# KiCad board Nodes.kicad_pcb (continued)
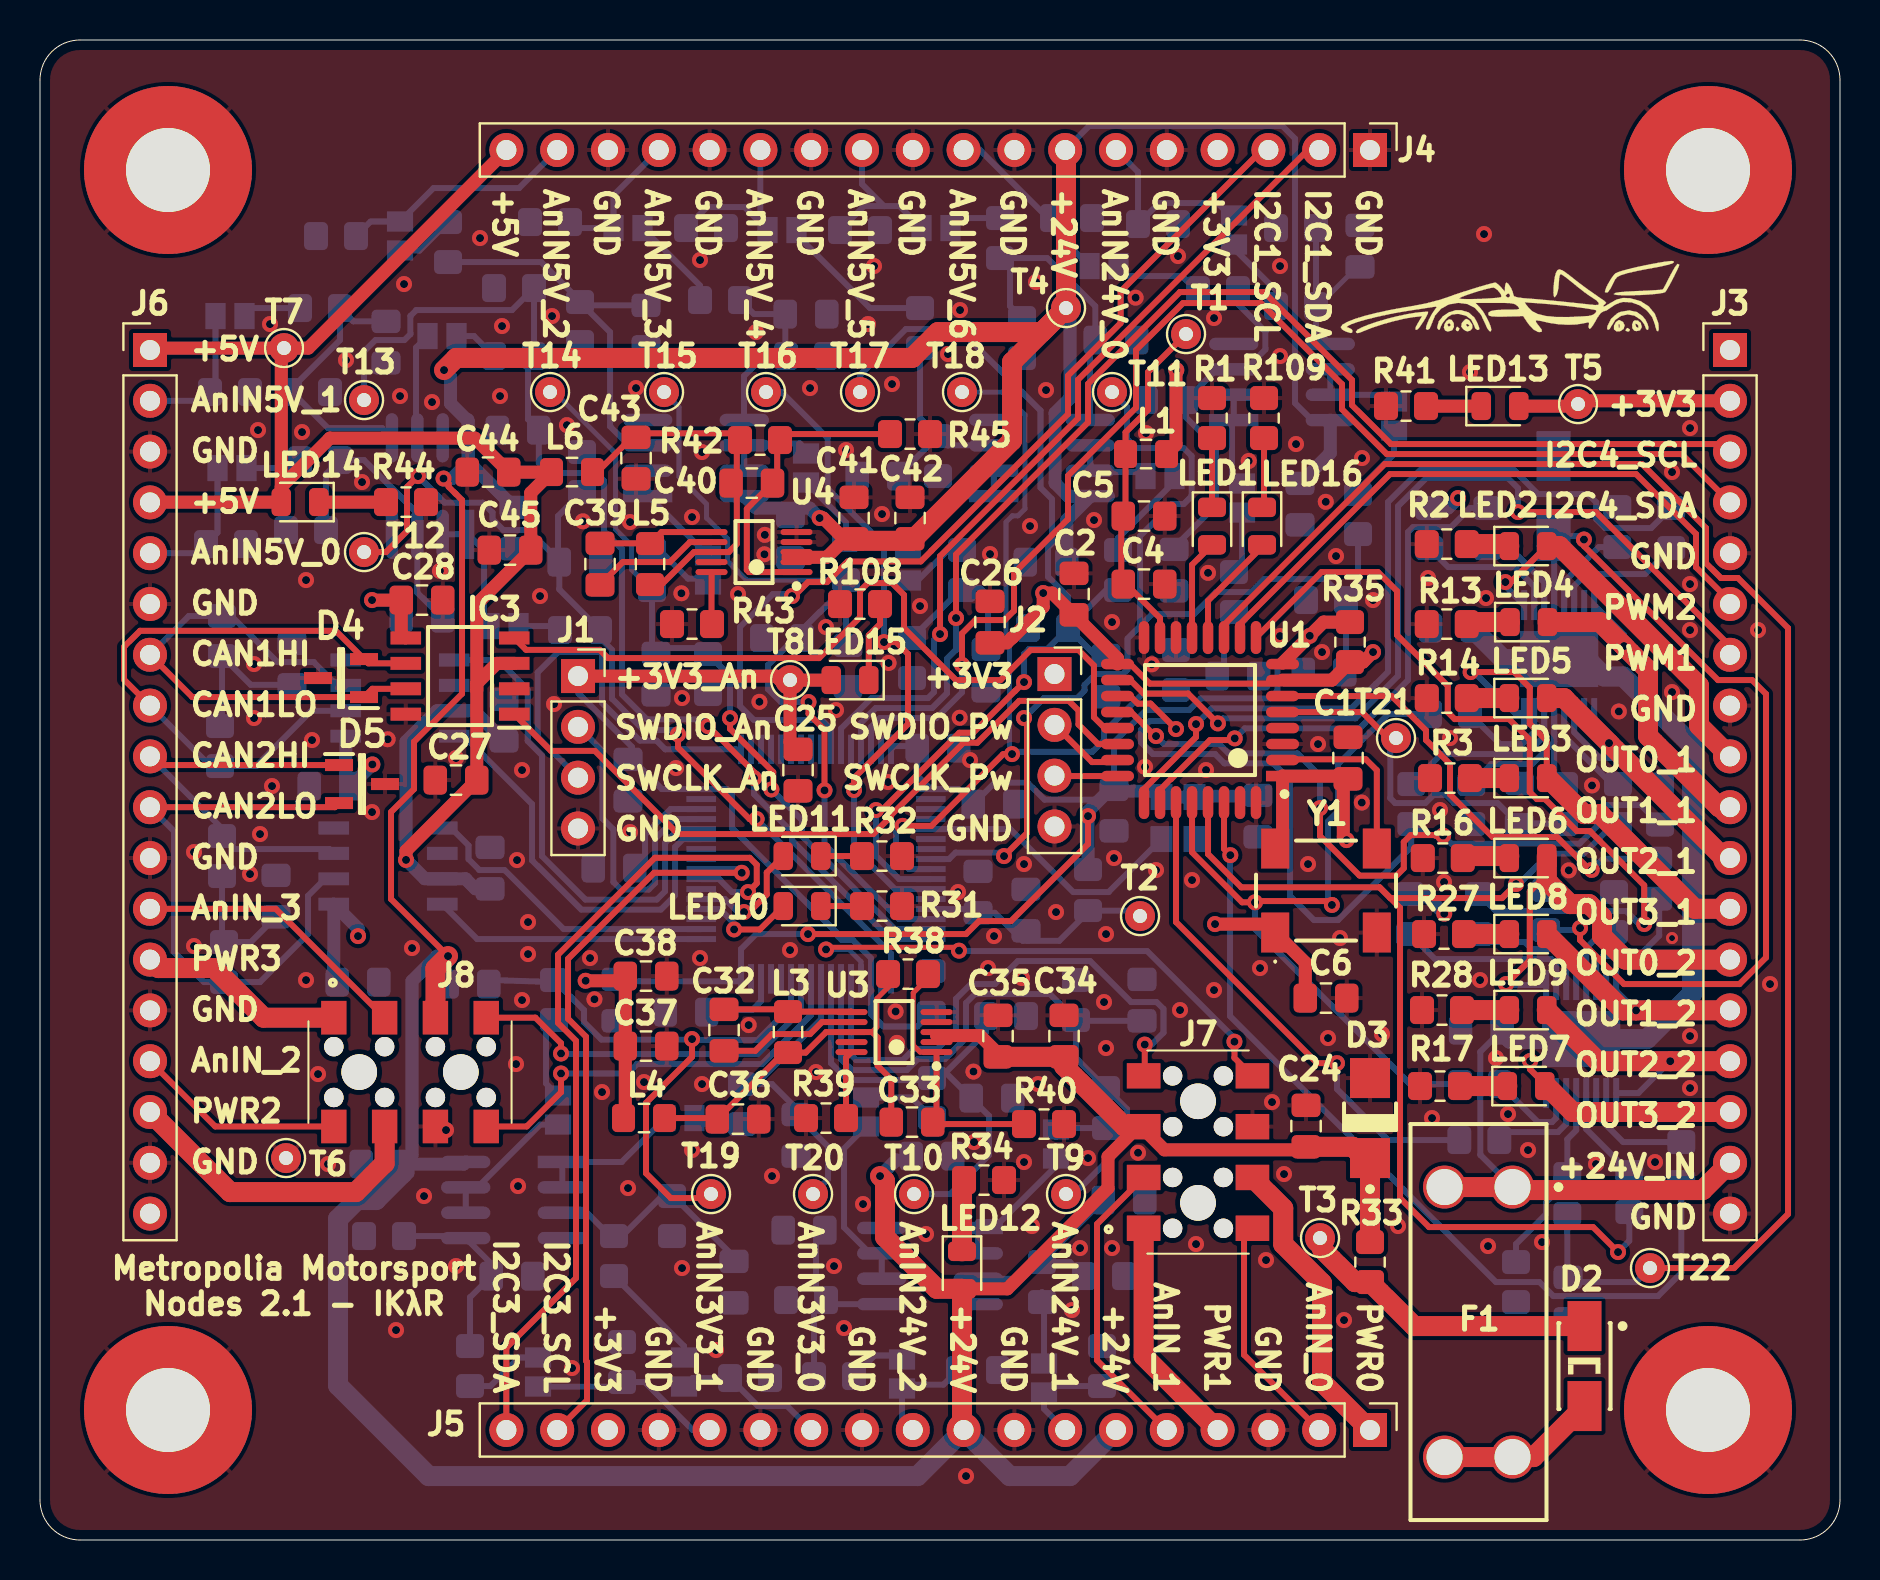
[diagram p0: board, top side]
## Footprints (pads in the part's own frame, mm; a bottom-side part is the same pattern mirrored in y, then rotated) (continued)
_ProgramData_Altium_Altium Designer {25494732-AE02-4610-B470-3264DC49668C}_VaultsFileCache_56708a516f1d4cf7aeaeed8617c40f77_Released_DIOD-S1M-13-F-SMA-2_V.PcbLib_DIOD-S1M-13-F-SMA-2_V
  rect 2.5x1.7 smd: 1(-2,0) 2(2,0)
C_0805_2012Metric_Pad1.18x1.45mm_HandSolder
  rrect 1.175x1.45 smd: 1(-1.038,0) 2(1.038,0)
ECS7050MV080BNTR
  rect 1.4x2 smd: 1(-2.54,-2.1) 2(2.54,-2.1) 3(2.54,2.1) 4(-2.54,2.1)
FP-ASE-MFG
  rect 1.3x1.1 smd: 1(-1.05,-0.825) 2(1.05,-0.825) 3(1.05,0.825) 4(-1.05,0.825)
FP-D0008A-IPC_A
  rect 2.469x0.622 smd: 1(-2.414,1.905)
  rrect 2.469x0.622 smd: 2(-2.414,0.635) 3(-2.414,-0.635) 4(-2.414,-1.905) 5(2.414,-1.905) 6(2.414,-0.635) 7(2.414,0.635) 8(2.414,1.905)
FP-LQFP32-5V-IPC_B
  rect 1.655x0.526 smd: 1(-4.125,2.8)
  rrect 1.655x0.526 smd: 2(-4.125,2) 3(-4.125,1.2) 4(-4.125,0.4) 5(-4.125,-0.4) 6(-4.125,-1.2) 7(-4.125,-2) 8(-4.125,-2.8) 17(4.125,-2.8) 18(4.125,-2) 19(4.125,-1.2) 20(4.125,-0.4) 21(4.125,0.4) 22(4.125,1.2) 23(4.125,2) 24(4.125,2.8)
  rrect 0.526x1.655 smd: 9(-2.8,-4.125) 10(-2,-4.125) 11(-1.2,-4.125) 12(-0.4,-4.125) 13(0.4,-4.125) 14(1.2,-4.125) 15(2,-4.125) 16(2.8,-4.125) 25(2.8,4.125) 26(2,4.125) 27(1.2,4.125) 28(0.4,4.125) 29(-0.4,4.125) 30(-1.2,4.125) 31(-2,4.125) 32(-2.8,4.125)
FP-LQM21PH_G0-IPC_C
  rect 1.006x1.308 smd: 1(-0.726,0) 2(0.726,0)
HLE-104-02-XXX-DV-BE-A-P-TR
  round 0.97 hole 0.97 unplated: (-3.81,1.27) (-3.81,-1.27) (-1.27,1.27) (-1.27,-1.27) (1.27,1.27) (1.27,-1.27) (3.81,1.27) (3.81,-1.27)
  round 1.78 hole 1.78 unplated: (-2.54,0) (2.54,0)
  rect 1.27x1.68 smd: 1(3.81,-2.72) 2(3.81,2.72) 3(1.27,-2.72) 4(1.27,2.72) 5(-1.27,-2.72) 6(-1.27,2.72) 7(-3.81,-2.72) 8(-3.81,2.72)
KSTN-3557-2
  round 2.15 hole 1.8: 1(-6.75,1.7) 2(-6.75,-1.7) 3(6.75,1.7) 4(6.75,-1.7)
L_0805_2012Metric_Pad1.15x1.40mm_HandSolder
  rrect 1.15x1.4 smd: 1(-1.025,0) 2(1.025,0)
LED_0805_2012Metric
  rrect 0.975x1.4 smd: 1(-0.938,0) 2(0.938,0)
LT-MS-10_N
  oval 1.6x0.3 smd: 1(-2.125,1) 2(-2.125,0.5) 3(-2.125,0) 4(-2.125,-0.5) 5(-2.125,-1) 6(2.125,-1) 7(2.125,-0.5) 8(2.125,0) 9(2.125,0.5) 10(2.125,1)
ONSC-SMA-2-403D-02_F_V
  rect 2x2 smd: 1(-2,0) 2(2,0)
PinHeader_1x18_P2.54mm_Vertical
  rect 1.7x1.7 hole 1: 1(0,0)
  oval 1.7x1.7 hole 1: 2(0,-2.54) 3(0,-5.08) 4(0,-7.62) 5(0,-10.16) 6(0,-12.7) 7(0,-15.24) 8(0,-17.78) 9(0,-20.32) 10(0,-22.86) 11(0,-25.4) 12(0,-27.94) 13(0,-30.48) 14(0,-33.02) 15(0,-35.56) 16(0,-38.1) 17(0,-40.64) 18(0,-43.18)
PinSocket_1x04_P2.54mm_Vertical
  rect 1.7x1.7 hole 1: 1(0,0)
  oval 1.7x1.7 hole 1: 2(0,-2.54) 3(0,-5.08) 4(0,-7.62)
QFP50P1200X1200X160-64N
  rect 1.475x0.3 smd: 1(-5.738,3.75) 2(-5.738,3.25) 3(-5.738,2.75) 4(-5.738,2.25) 5(-5.738,1.75) 6(-5.738,1.25) 7(-5.738,0.75) 8(-5.738,0.25) 9(-5.738,-0.25) 10(-5.738,-0.75) 11(-5.738,-1.25) 12(-5.738,-1.75) 13(-5.738,-2.25) 14(-5.738,-2.75) 15(-5.738,-3.25) 16(-5.738,-3.75) 33(5.738,-3.75) 34(5.738,-3.25) 35(5.738,-2.75) 36(5.738,-2.25) 37(5.738,-1.75) 38(5.738,-1.25) 39(5.738,-0.75) 40(5.738,-0.25) 41(5.738,0.25) 42(5.738,0.75) 43(5.738,1.25) 44(5.738,1.75) 45(5.738,2.25) 46(5.738,2.75) 47(5.738,3.25) 48(5.738,3.75)
  rect 0.3x1.475 smd: 17(-3.75,-5.738) 18(-3.25,-5.738) 19(-2.75,-5.738) 20(-2.25,-5.738) 21(-1.75,-5.738) 22(-1.25,-5.738) 23(-0.75,-5.738) 24(-0.25,-5.738) 25(0.25,-5.738) 26(0.75,-5.738) 27(1.25,-5.738) 28(1.75,-5.738) 29(2.25,-5.738) 30(2.75,-5.738) 31(3.25,-5.738) 32(3.75,-5.738) 49(3.75,5.738) 50(3.25,5.738) 51(2.75,5.738) 52(2.25,5.738) 53(1.75,5.738) 54(1.25,5.738) 55(0.75,5.738) 56(0.25,5.738) 57(-0.25,5.738) 58(-0.75,5.738) 59(-1.25,5.738) 60(-1.75,5.738) 61(-2.25,5.738) 62(-2.75,5.738) 63(-3.25,5.738) 64(-3.75,5.738)
R_0805_2012Metric_Pad1.20x1.40mm_HandSolder
  rrect 1.2x1.4 smd: 1(-1,0) 2(1,0)
SOIC127P600X175-8N
  rect 1.528x0.65 smd: 1(-2.711,1.905) 2(-2.711,0.635) 3(-2.711,-0.635) 4(-2.711,-1.905) 5(2.711,-1.905) 6(2.711,-0.635) 7(2.711,0.635) 8(2.711,1.905)
SOP50P600X170-17N
  rect 1.5x0.3 smd: 1(-2.7,1.75) 2(-2.7,1.25) 3(-2.7,0.75) 4(-2.7,0.25) 5(-2.7,-0.25) 6(-2.7,-0.75) 7(-2.7,-1.25) 8(-2.7,-1.75) 9(2.7,-1.75) 10(2.7,-1.25) 11(2.7,-0.75) 12(2.7,-0.25) 13(2.7,0.25) 14(2.7,0.75) 15(2.7,1.25) 16(2.7,1.75)
  rect 2.8x3.91 smd: 17(0,0)
SOP50P600X170-17N#2
  rect 1.5x0.3 smd: 1(-2.7,1.75) 2(-2.7,1.25) 3(-2.7,0.75) 4(-2.7,0.25) 5(-2.7,-0.25) 6(-2.7,-0.75) 7(-2.7,-1.25) 8(-2.7,-1.75) 9(2.7,-1.75) 10(2.7,-1.25) 11(2.7,-0.75) 12(2.7,-0.25) 13(2.7,0.25) 14(2.7,0.75) 15(2.7,1.25) 16(2.7,1.75)
  rect 2.8x3.91 smd: 17(0,0)
SOT95P255X125-3N
  rect 1.4x0.6 smd: 1(-1.15,0.95) 2(-1.15,-0.95) 3(1.15,0)
TestPoint_THTPad_D1.5mm_Drill0.7mm
  round 1.5 hole 0.7: 1(0,0)
unnamed
  round 8.4 hole 4.2: M4(0,0)

## Nets
+5V: C27.1 C44.1 C45.1 C47.1 C52.1 IC3.3 IC4.3 IC5.3 J4.18 J6.1 J6.4 L6.2 LED14.2 T7.1
+24V: C24.1 C34.1 C35.1 C41.1 C42.1 C56.1 C63.1 C68.1 C73.1 C78.1 C81.1 D3.1 J4.7 J5.6 J5.9 J7.5 J8.5 LED12.2 R33.2 T4.1 U3.2 U3.3 U4.2 U4.3 U5.8 U6.8 U7.8 U8.8 U9.8 U10.8
/24V_unfused: C8.1 C10.1 F1.1 F1.2 IC1.17 IC2.17 J3.17
GND: C1.2 C2.2 C4.2 C5.2 C6.2 C7.2 C8.2 C9.2 C10.2 C12.2 C13.2 C14.2 C15.2 C16.2 C17.2 C18.2 C20.2 C21.2 C22.2 C23.2 C24.2 C25.2 C26.2 C27.2 C28.2 C34.2 C35.2 C36.2 C37.2 C38.2 C41.2 C42.2 C43.2 C44.2 C45.2 C47.2 C48.2 C49.2 C52.2 C53.2 C54.2 C56.2 C57.2 C58.2 C59.2 C60.2 C61.2 C62.2 C63.2 C64.2 C65.2 C66.2 C67.2 C68.2 C69.2 C70.2 C71.2 C72.2 C73.2 C74.2 C75.2 C76.2 C77.2 C78.2 C79.2 C80.2 C81.2 C82.2 C83.2 C84.2 C85.2 D1.2 D3.2 D4.3 D5.3 IC3.2 IC3.8 IC4.2 IC4.8 IC5.2 IC5.8 J1.4 J2.4 J3.5 J3.8 J3.18 J4.1 J4.5 J4.8 J4.10 J4.12 J4.14 J4.16 J5.3 J5.8 J5.11 J5.13 J5.15 J6.3 J6.6 J6.11 J6.14 J6.17 J7.6 J8.6 NOREF.M4 NOREF#2.M4 NOREF#3.M4 NOREF#4.M4 R1.2 R2.1 R3.2 R8.1 R13.1 R14.2 R15.2 R16.2 R17.2 R22.1 R27.1 R28.2 R29.2 R30.2 R31.2 R32.2 R34.2 R39.2 R40.2 R41.2 R43.2 R44.2 R45.2 R52.2 R54.2 R56.2 R57.2 R58.2 R59.2 R61.2 R63.2 R64.2 R67.2 R69.2 R71.2 R72.2 R73.2 R74.2 R77.2 R79.2 R81.2 R82.2 R83.2 R84.2 R87.2 R89.2 R91.2 R92.2 R93.2 R94.2 R97.2 R98.2 R99.2 R103.2 R104.2 R106.2 R107.2 R108.2 R109.2 T6.1 U1.3 U1.14 U1.16 U1.32 U2.6 U2.12 U2.18 U2.31 U2.47 U2.63 U3.4 U3.5 U4.4 U4.5 U5.4 U6.4 U7.4 U8.4 U9.4 U10.4 Y1.2 Y2.2
GNDREF: D1.1 IC1.4 IC2.4 R30.1
VCC: C1.1 C2.1 C6.1 C26.1 C28.1 C37.1 C38.1 C48.1 C53.1 IC3.5 IC4.5 IC5.5 J2.1 J3.2 J4.4 J5.16 L1.1 L4.2 LED13.2 R6.1 R20.1 R35.1 T5.1 U1.1 U1.7 U1.17 Y1.1 Y1.4
VCCA: C12.1 C13.1 C14.1 C15.1 C16.1 C17.1 C22.1 C25.1 J1.1 L2.1 LED15.2 R35.2 T8.1 U1.8 U2.1 U2.19 U2.32 U2.48 U2.64 Y2.1 Y2.4
/AnalogNode/ADC0: C85.1 R105.2 T20.1 U2.24
/AnalogNode/ADC1: C82.1 R102.2 T19.1 U2.27
/AnalogNode/ADC2: C66.1 R68.2 R73.1 T12.1 U2.17
/AnalogNode/ADC3: C67.1 R70.2 R74.1 T13.1 U2.16
/AnalogNode/ADC4: C71.1 R78.2 R83.1 T14.1 U2.15
/AnalogNode/ADC5: C72.1 R80.2 R84.1 T15.1 U2.14
/AnalogNode/ADC6: C76.1 R88.2 R93.1 T16.1 U2.11
/AnalogNode/ADC7: C77.1 R90.2 R94.1 T17.1 U2.10
/AnalogNode/ADC8: C80.1 R96.2 R99.1 T18.1 U2.9
/AnalogNode/ADC9: J8.7 U2.26
/AnalogNode/ADC10: J8.8 U2.25
/AnalogNode/ADC11: J7.7 U2.21
/AnalogNode/ADC12: J7.8 U2.20
/AnalogNode/ADC13: C60.1 R55.2 R59.1 T10.1 U2.23
/AnalogNode/ADC14: C59.1 R53.2 R58.1 T9.1 U2.22
/AnalogNode/ADC15: C62.1 R62.2 R64.1 T11.1 U2.8
/AnalogNode/CAN1Rx: IC4.4 U2.43
/AnalogNode/CAN1Tx: IC4.1 U2.44
/AnalogNode/CAN2Rx: IC5.4 U2.33
/AnalogNode/CAN2Tx: IC5.1 U2.34
/AnalogNode/LED1: LED10.2 U2.36
/AnalogNode/LED2: LED11.2 U2.37
/AnalogNode/OSC_IN: U2.5 Y2.3
/AnIN3V3_0: J5.12 L27.1 R106.1
/AnIN3V3_1: J5.14 L28.1 R107.1
/AnIN5V_0: J6.5 L13.1 R71.1
/AnIN5V_1: J6.2 L14.1 R72.1
/AnIN5V_2: J4.17 L17.1 R81.1
/AnIN5V_3: J4.15 L18.1 R82.1
/AnIN5V_4: J4.13 L21.1 R91.1
/AnIN5V_5: J4.11 L22.1 R92.1
/AnIN5V_6: J4.9 L25.1 R97.1
/AnIN24V_0: J4.6 L11.1 R63.1
/AnIN24V_1: J5.7 L7.1 R56.1
/AnIN24V_2: J5.10 L8.1 R57.1
/AnIN_0: J5.2 J7.2
/AnIN_1: J5.5 J7.3
/AnIN_2: J6.15 J8.2
/AnIN_3: J6.12 J8.3
/CAN1HI: D4.1 IC3.7 IC4.7 J6.7 R46.1
/CAN1LO: D4.2 IC3.6 IC4.6 J6.8 R47.2
/CAN2HI: D5.1 IC5.7 J6.9 R48.1
/CAN2LO: D5.2 IC5.6 J6.10 R49.2
/I2C1_SCL: J4.3 U2.58
/I2C1_SDA: J4.2 U2.59
/I2C3_SCL: J5.17 U2.40
/I2C3_SDA: J5.18 U2.39
/I2C4_SCL: J3.3 U2.61
/I2C4_SDA: J3.4 U2.62
/OUT0_1: IC1.1 J3.9 LED2.2
/OUT0_2: IC2.1 J3.13 LED6.2
/OUT1_1: IC1.8 J3.10 LED4.2
/OUT1_2: IC2.8 J3.14 LED8.2
/OUT2_1: IC1.9 J3.11 LED5.2
/OUT2_2: IC2.9 J3.15 LED9.2
/OUT3_1: IC1.16 J3.12 LED3.2
/OUT3_2: IC2.16 J3.16 LED7.2
/PowerNode/ADCS1: C7.1 R12.2 T21.1 U1.5
/PowerNode/ADCS2: C9.1 R26.2 T22.1 U1.11
/PowerNode/CANRx: IC3.4 U1.21
/PowerNode/CANTx: IC3.1 U1.22
/PowerNode/IN0_1: R5.1 U1.26
/PowerNode/IN0_2: R19.1 U1.9
/PowerNode/IN1_1: R10.1 U1.25
/PowerNode/IN1_2: R24.1 U1.6
/PowerNode/IN2_1: R11.2 U1.20
/PowerNode/IN2_2: R25.2 U1.30
/PowerNode/IN3_1: R7.2 U1.19
/PowerNode/IN3_2: R21.2 U1.27
/PowerNode/LED: LED16.2 U1.12
/PowerNode/SEL0: R9.2 R23.2 U1.29
/PowerNode/SEL1: R4.2 R18.2 U1.28
/PWM1: J3.7 U1.18
/PWM2: J3.6 U1.10
/PWR0: J5.1 J7.4
/PWR1: J5.4 J7.1
/PWR2: J6.16 J8.4
/PWR3: J6.13 J8.1
/SWCLK_An: J1.3 U2.49
/SWCLK_Pw: J2.3 U1.24
/SWDIO_An: J1.2 U2.45
/SWDIO_Pw: J2.2 U1.23
Net-(C49-Pad1): C49.1 R46.2 R47.1
Net-(C54-Pad1): C54.1 R48.2 R49.1
Net-(D2-A): D2.1 F1.3 F1.4
Net-(D2-K): D2.2 R33.1 T3.1
Net-(IC1-CS): IC1.13 R12.1 R15.1
Net-(IC1-INPUT0): IC1.3 R5.2
Net-(IC1-INPUT1): IC1.6 R10.2
Net-(IC1-INPUT2): IC1.11 R11.1
Net-(IC1-INPUT3): IC1.14 R7.1
Net-(IC1-SEL0): IC1.12 R9.1
Net-(IC1-SEL1): IC1.15 R4.1
Net-(IC1-SEN): IC1.2 R6.2
Net-(IC1-~{FAULTRST}): IC1.5 R8.2
Net-(IC2-CS): IC2.13 R26.1 R29.1
Net-(IC2-INPUT0): IC2.3 R19.2
Net-(IC2-INPUT1): IC2.6 R24.2
Net-(IC2-INPUT2): IC2.11 R25.1
Net-(IC2-INPUT3): IC2.14 R21.1
Net-(IC2-SEL0): IC2.12 R23.1
Net-(IC2-SEL1): IC2.15 R18.1
Net-(IC2-SEN): IC2.2 R20.2
Net-(IC2-~{FAULTRST}): IC2.5 R22.2
Net-(L7-Pad2): L7.2 R50.1
Net-(L8-Pad2): L8.2 R51.1
Net-(L9-Pad2): L9.2 R53.1
Net-(L10-Pad2): L10.2 R55.1
Net-(L11-Pad2): L11.2 R60.1
Net-(L12-Pad2): L12.2 R62.1
Net-(L13-Pad2): L13.2 R65.1
Net-(L14-Pad2): L14.2 R66.1
Net-(L15-Pad2): L15.2 R68.1
Net-(L16-Pad2): L16.2 R70.1
Net-(L17-Pad2): L17.2 R75.1
Net-(L18-Pad2): L18.2 R76.1
Net-(L19-Pad2): L19.2 R78.1
Net-(L20-Pad2): L20.2 R80.1
Net-(L21-Pad2): L21.2 R85.1
Net-(L22-Pad2): L22.2 R86.1
Net-(L23-Pad2): L23.2 R88.1
Net-(L24-Pad2): L24.2 R90.1
Net-(L25-Pad2): L25.2 R95.1
Net-(L26-Pad2): L26.2 R96.1
Net-(L27-Pad2): L27.2 R100.1
Net-(L28-Pad2): L28.2 R101.1
Net-(L29-Pad2): L29.2 R105.1
Net-(L30-Pad2): L30.2 R102.1
Net-(LED1-A): LED1.2 U1.13
Net-(LED1-K): LED1.1 R1.1
Net-(LED2-K): LED2.1 R2.2
Net-(LED3-K): LED3.1 R3.1
Net-(LED4-K): LED4.1 R13.2
Net-(LED5-K): LED5.1 R14.1
Net-(LED6-K): LED6.1 R16.1
Net-(LED7-K): LED7.1 R17.1
Net-(LED8-K): LED8.1 R27.2
Net-(LED9-K): LED9.1 R28.1
Net-(LED10-K): LED10.1 R31.1
Net-(LED11-K): LED11.1 R32.1
Net-(LED12-K): LED12.1 R34.1
Net-(LED13-K): LED13.1 R41.1
Net-(LED14-K): LED14.1 R44.1
Net-(LED15-K): LED15.1 R108.1
Net-(LED16-K): LED16.1 R109.1
Net-(T1-Pin_1): C4.1 C5.1 L1.2 T1.1 U1.15
Net-(T2-Pin_1): C20.1 C21.1 L2.2 T2.1 U2.13
Net-(U1-PF0-OSC_IN): U1.2 Y1.3
Net-(U2-VCAP_1): C23.1 U2.30
Net-(U2-VCAP_2): C18.1 U2.46
Net-(U3-BD): C33.1 C36.1 L3.2 L4.1 R38.1 U3.8
Net-(U3-BOOST): C32.1 U3.7
Net-(U3-FB): C33.2 R38.2 R40.1 U3.1
Net-(U3-RT): R39.1 U3.10
Net-(U3-SW): C32.2 L3.1 U3.6
Net-(U4-BD): C40.1 C43.1 L5.2 L6.1 R42.1 U4.8
Net-(U4-BOOST): C39.1 U4.7
Net-(U4-FB): C40.2 R42.2 R45.1 U4.1
Net-(U4-RT): R43.1 U4.10
Net-(U4-SW): C39.2 L5.1 U4.6
Net-(U5A-IN1+): C58.1 R50.2 R52.1 U5.3
Net-(U5A-IN1-): L9.1 U5.1 U5.2
Net-(U5B-IN2+): C57.1 R51.2 R54.1 U5.5
Net-(U5B-IN2-): L10.1 U5.6 U5.7
Net-(U6A-IN1+): C79.1 R95.2 R98.1 U6.3
Net-(U6A-IN1-): L26.1 U6.1 U6.2
Net-(U6B-IN2+): C61.1 R60.2 R61.1 U6.5
Net-(U6B-IN2-): L12.1 U6.6 U6.7
Net-(U7A-IN1+): C65.1 R65.2 R67.1 U7.3
Net-(U7A-IN1-): L15.1 U7.1 U7.2
Net-(U7B-IN2+): C64.1 R66.2 R69.1 U7.5
Net-(U7B-IN2-): L16.1 U7.6 U7.7
Net-(U8A-IN1+): C70.1 R75.2 R77.1 U8.3
Net-(U8A-IN1-): L19.1 U8.1 U8.2
Net-(U8B-IN2+): C69.1 R76.2 R79.1 U8.5
Net-(U8B-IN2-): L20.1 U8.6 U8.7
Net-(U9A-IN1+): C75.1 R85.2 R87.1 U9.3
Net-(U9A-IN1-): L23.1 U9.1 U9.2
Net-(U9B-IN2+): C74.1 R86.2 R89.1 U9.5
Net-(U9B-IN2-): L24.1 U9.6 U9.7
Net-(U10A-IN1+): C84.1 R100.2 R103.1 U10.3
Net-(U10A-IN1-): L29.1 U10.1 U10.2
Net-(U10B-IN2+): C83.1 R101.2 R104.1 U10.5
Net-(U10B-IN2-): L30.1 U10.6 U10.7

Pads without a net: IC1 7 10; IC2 7 10; J3 1; J6 18; U1 4 31; U2 2 3 4 7 28 29 35 38 41 42 50 51 52 53 54 55 56 57 60; U3 9; U4 9

## Via types
v1: diameter 0.8, hole 0.4, Top to Bottom, 262 vias
v2: diameter 0.6, hole 0.3, Top to Bottom, 1 via

## Routing (per net, layer and track width the routed paths; a pad name or vN(x,y) marks a point on that pad's centre or on a via; arc(x,y) is an arc through that point)
+5V: length 94.2
  Top w0.65: v1(18.3,34) 18.3,34.46 C27.1 21.84,42.5 ; LED14.2 5.52,51.9 J6.4 ; LED14.2 12.06,52.66 14.5,55.1 21.74,55.1 C44.1 L6.2 24.54,52.36 C45.1 21.84,46.8 21.84,42.5 ; LED14.2 12.06,59.26 12.2,59.4 T7.1 ; J6.1 5.6,59.6 T7.1 ; J4.18 13.42,59.6 T7.1 ; 21.84,42.5 21.84,42.83 22.84,43.83 IC3.3
  Bottom w0.65: C52.1 21.78,32.56 21.27,33.06 IC5.3 19.24,33.06 v1(18.3,34) 18.3,39.92 19.84,41.46 IC4.3 21.7,41.46 C47.1
+24V: length 289.8
  Top w0.3: v1(20.4,29.2) 17.55,32.05 17.55,36.4 18.7,37.55 18.7,39.91 21.1,42.31 21.1,52 20.78,52.32 20.77,52.32 20.43,52.67 20.43,52.82 v1(20.18,53.07)
  Top w0.65: C35.1 47.9,24.32 47,25.22 44.83,25.22 ; 37.4,49.14 39.34,49.14 40.16,49.96 40.7,49.96 40.3,49.96 39.16,51.1 v1(38.98,51.1) ; LED12.2 48.37,12.56 53.4,17.59 53.4,19.17 54.9,20.67 J7.5 55.18,20.55 56.22,19.51 63.15,19.51 C24.1
  Top w1: C35.1 C34.1 51.2,23.7 54.23,20.67 J7.5 ; T4.1 51.3,69.46 J4.7 ; T4.1 50.1,60.4 44.9,60.4 43.61,59.1 20.81,59.1 v1(20.2,58.5) ; T4.1 48.6,58.9 48.6,54.97 43.59,49.96 40.7,49.96 ; v1(42,18.2) 42.25,17.95 42.25,15.15 44.84,12.56 LED12.2 46.1,5.58 J5.9 ; J8.5 19.77,28.57 v1(20.4,29.2) ; C24.1 65.64,19.66 66.5,18.8 R33.2
  Bottom w0.3: U6.8 63.61,55.99 62.75,56.85 62.75,70.07 62.12,70.7 52.46,70.7 J4.7 ; 21.41,54.3 U7.8
  Bottom w0.65: U7.8 21.41,53.93 C63.1 ; U7.8 21.41,55.95 20.53,56.83 20.53,58.17 v1(20.2,58.5) ; U7.8 21.41,53.88 20.6,53.07 v1(20.18,53.07) ; U8.8 35.81,51.6 38.48,51.6 v1(38.98,51.1) ; U5.8 42.3,15.81 42.3,17.9 v1(42,18.2) 42.8,19 43.43,19 ; 51.3,61.7 51.5,61.5 51.5,57.09 50.76,56.35 50.76,52.84 51.41,52.19 U9.8 51.34,51.02 51.34,49.1 ; C78.1 64.51,54.35 U6.8 ; v1(20.4,29.2) 19.85,29.2 18.6,27.95 18.6,19.26 C81.1 21.18,18.8 U10.8
  Bottom w1: C81.1 18.14,18.33 16.8,17 15.85,17 14.9,16.05 14.9,7.73 19.43,3.2 43.88,3.2 J5.9 48.48,3.2 51.5,3.2 J5.6
/24V_unfused: length 60.3
  Top w1: F1.2 F1.1 73.78,17.5 83.14,17.5 J3.17
  Bottom w0.3: F1.1 72.01,19.26 72.01,24.41 C10.1
  Bottom w1: C8.1 73.15,44.05 IC1.17 77.33,44.05 78.2,43.18 79.16,43.18 82.6,39.74 82.6,27.31 80.34,25.05 IC2.17 73.55,25.05 C10.1
GND:
  vias: v1(7.7,34.4) v1(7.7,29.7) v1(10.5,33.3) v1(10.7,43.8) v1(10.7,41.1) v1(10.9,55.5) v1(11,35.3) v1(11.5,60.8) v1(11.6,37.7) v1(13.1,55.4) v1(13.3,48) v1(13.3,28) v1(13.6,40) v1(13.9,23.3) v1(14.4,18.8) v1(15.3,59) v1(16.1,52.9) v1(16.6,36.4) v1(17.38,40.04) v1(17.8,10.5) v1(18,57.2) v1(18.2,62.8) v1(18.6,29.6) v1(19.2,17.2) v1(19.6,56.9) v1(20,48.46) v1(20.3,20.5) v1(20.8,39.1) v1(20.8,13.7) v1(22,65.1) v1(23,57.2) v1(23.1,60.7) v1(23.8,23.8) v1(23.85,34) v1(23.9,17.7) v1(24.1,38.5) v1(24.1,27) v1(24.4,30.9) v1(24.4,29.3) v1(25,47.2) v1(25.6,61.2) v1(25.7,41.8) v1(26.35,55.74) v1(26.6,8.6) v1(27.14,50.94) v1(27.5,29.1) v1(27.72,27.04) v1(28.1,22.4) v1(29.4,17.6) v1(29.5,50.9) v1(29.5,35.4) v1(29.8,57.6) v1(30.2,22.9) v1(31.8,38.6) v1(32.07,47.34) v1(32.1,42.1) v1(32.1,13.6) v1(32.6,51.15) v1(32.6,19.5) v1(33,64) v1(33,29.1) v1(33.1,54.4) v1(33.1,22.8) v1(33.8,9.5) v1(34.9,47.3) v1(35.43,25.75) v1(35.8,60.4) v1(35.97,41.91) v1(36.24,50.26) v1(36.22,49.29) v1(36.6,18.2) v1(37.5,29.5) v1(38.5,57.6) v1(38.8,23.4) v1(39.3,45.65) v1(39.7,13.7) v1(39.8,41.5) v1(40.2,10.6) v1(40.3,54.5) v1(41.15,16.8) v1(41.4,60.8) v1(41.7,63.7) v1(42.1,51.3) v1(42.43,43.85) v1(42.4,37.9) v1(42.6,57.8) v1(42.78,26.43) v1(42.85,24.86) v1(44,46.7) v1(44.3,15.3) v1(45.4,59.3) v1(45.9,32.4) v1(46,61.5) v1(45.98,41.11) v1(46.3,3.2) v1(46.5,39) v1(46.67,23.42) v1(46.7,19.9) v1(47.4,28.6) v1(47.5,49.3) v1(47.7,30.2) v1(49.1,28.1) v1(49.2,33.8) v1(49.2,18.9) v1(49.5,50.7) v1(49.6,15.7) v1(49.8,62.9) v1(49.9,22.8) v1(50.3,57.5) v1(50.8,31.4) v1(51.6,11.5) v1(52,14.6) v1(52.4,19.1) v1(52.7,51) v1(53.2,26.9) v1(53.3,30.3) v1(53.3,24.6) v1(53.6,45.9) v1(53.6,14.6) v1(53.7,34.1) v1(54.78,62.12) v1(54.9,19.36) v1(55.3,55.35) v1(55.25,38.66) v1(55.59,43.78) v1(55.8,33.5) v1(56.9,64.2) v1(57,26.5) v1(57.6,33) v1(57.8,14.8) v1(58.3,38.5) v1(58.4,48.36) v1(58.7,61.1) v1(58.7,27.5) v1(60.44,53.95) v1(61,28.6) v1(61.3,14) v1(61.6,21.9) v1(62,63.7) v1(62,59.2) v1(62,45.2) v1(62.2,18.3) v1(62.8,54.8) v1(63.4,33.8) v1(63.9,39.8) v1(64.1,44.4) v1(64.29,51.91) v1(64.4,25.1) v1(64.8,49.2) v1(65,30.1) v1(65.2,11) v1(66.1,54.1) v1(66.09,36.87) v1(66.65,47) v1(67.1,25.3) v1(67.9,15.7) v1(69.4,48.1) v1(69.6,21.1) v1(70,36.5) v1(70.2,32.9) v1(70.5,40.1) v1(71.5,58.4) v1(72,28) v1(72.2,65.3) v1(72.3,47.1) v1(72.4,14.7) v1(72.8,24.1) v1(73.4,21.3) v1(74.4,19.5) v1(75.1,14.9) v1(76.44,33.48) v1(77.6,37.73) v1(77.8,18.8) v1(78.94,41.43) v1(80.75,18.9) v1(81.6,53.4) v1(81.6,42.4) v1(82.5,55.6) v1(82.5,47.8) v1(82.5,45.5) v1(82.5,25.2) v1(82.5,22.6) v1(85.9,45.5) v1(86.5,27.8) v2(81.6,30.1)
GNDREF: length 47.3
  Top w0.3: v1(77,30.6) 77,30 79.2,27.8 84.97,27.8 86.3,29.12 86.3,42.3 85.6,43 83.9,43 77.2,49.7 v1(77.2,50.02)
  Bottom w0.3: D1.1 77.03,50.2 v1(77.2,50.02) ; 75.38,50.1 75.71,49.76 IC1.4 ; R30.1 76.9,30.5 v1(77,30.6) ; IC2.4 76.81,29.29 75.8,30.3 75.3,30.3
VCC: length 82.7
  Top w0.3: U1.7 61.95,42.82 55.49,42.82 54.51,43.8 U1.17
  Top w0.65: IC3.5 18.06,45.33 C28.1 v1(16.6,47) ; L1.1 56.8,54.77 56.8,58.48 v1(56.82,58.5) ; LED13.2 76.8,56.7 T5.1 77.06,56.96 J3.2 ; C6.1 63.26,28.87 Y1.1 61.34,30.8 v1(58.75,30.8) ; U1.17 53.88,44.08 C2.1 50.61,47.35 v1(50.16,47.35) 50.16,46.65 48.63,45.12 48.61,45.12 48.34,44.86 C26.1 ; 51.23,43.8 J2.1 ; v1(65.33,35) 65.17,35.16 65.17,37.82 C1.1 ; U1.7 64.6,43 R35.1 66.15,43.9 v1(66.65,44.4) ; v1(27.28,27.96) 29.26,27.96 C37.1 29.26,21.18 L4.2 ; Y1.4 62.13,34.94 U1.1 65.44,38.2
  Bottom w0.65: v1(15.9,30.2) 15.9,30.58 IC5.5 14.69,28.07 C53.1 ; R6.1 70.4,51.6 v1(70.9,52.1) ; v1(70.21,31.31) 69.23,32.3 R20.1 ; v1(16.62,38.78) C48.1 15.29,37.94 IC4.5
VCCA: length 120.9
  Top w0.3: v1(52.4,36.2) 52.4,34.8 48.55,30.95 46.95,30.95 46.3,30.3 v1(38.4,30.3)
  Top w0.65: C25.1 37.5,39.93 T8.1 ; T8.1 37,43 36.8,43.2 26.93,43.2 ; T8.1 LED15.2 ; R35.2 64.18,45.9 62.13,43.85
  Bottom w0.3: U2.64 42.71,39.7 43.86,39.7 43.86,38.22 U2.1 45.91,37.55 C16.1 47.74,37.87 49.37,37.87 50.23,37.02 53.18,37.02 C17.1 53.7,39.9 55.3,41.5 57.46,41.5 58.04,42.08 61.49,42.08 61.88,42.47 61.88,43.78 63.31,45.21 v1(63.49,45.21) ; 26.93,43.2 26.93,42.33 29.6,39.65 29.6,39.03 31.09,37.55 32.86,37.55 ; U2.48 34.35,37.55 34.6,37.3 34.6,35.6 39.9,30.3 ; 28.8,27.93 34.93,27.93 U2.32 35.05,29.55 35.8,30.3 39.9,30.3 ; 39.9,30.3 39.9,30.19 40.09,30 40.64,30 41.55,29.09 U2.19 41.55,26.3 42.17,25.68 43.87,25.68 C14.1
  Bottom w0.65: Y2.4 Y2.1 ; 57.73,37.45 57.98,37.2 60.86,37.2 C22.1 ; 56.08,37.45 53.99,37.45 53.7,37.73 52.4,36.43 v1(52.4,36.2) L2.1
/AnalogNode/ADC0: length 15.8
  Bottom w0.3: U2.24 39.05,26.05 35.8,22.8 R105.2 36.6,22.8 37.8,21.6 C85.1 39.4,19.67 39.4,18.05 T20.1
/AnalogNode/ADC1: length 30.5
  Top w0.3: v1(32.6,25.05) 32.6,24.16 30.3,21.86 30.3,18.34 31.54,17.1 33.35,17.1 T19.1
  Bottom w0.3: C82.1 22.64,28 25.7,27.9 R102.2 27.2,26.5 27.2,25.89 28.07,25.02 32.58,25.02 v1(32.6,25.05) 32.65,25 35.88,25 37.55,26.67 U2.27
/AnalogNode/ADC2: length 47.5
  Top w0.3: v1(35.83,36.05) 35.48,36.05 31.9,39.62 v1(31.9,40.28) ; T12.1 17.3,49.4 18.35,50.45 18.35,52.65 v1(18.9,53.2)
  Bottom w0.3: C66.1 25.96,48.96 24.43,50.5 23.17,50.5 22.63,51.04 22.63,51.37 22.13,51.87 20.23,51.87 v1(18.9,53.2) ; C66.1 25.96,47.53 R68.2 28,45.1 28.6,44.5 28.6,42.07 30.17,40.5 31.69,40.5 v1(31.9,40.28) ; C66.1 25.9,48.96 25.9,51.2 R73.1 ; U2.17 42.55,29.33 v1(35.83,36.05)
/AnalogNode/ADC3: length 58.5
  Top w0.3: v1(35.7,38.1) 35.7,38.4 v1(33.4,40.7)
  Bottom w0.3: C67.1 24.4,56.03 24.4,58.9 R70.2 R74.1 23.6,61.5 18.82,61.5 18.52,61.2 18.52,60.3 18.22,60 16.77,60 16.2,59.43 T13.1 ; v1(33.4,40.7) 33.06,41.04 30.34,41.04 29.1,42.27 29.1,49.54 28.2,50.44 28.2,52.95 27.81,53.35 25.45,53.35 24.94,53.86 24.94,55.7 24.7,55.93 ; v1(35.7,38.1) 35.7,37.3 37.6,35.4 37.6,34.98 42.54,30.05 U2.16
/AnalogNode/ADC4: length 37.7
  Top w0.3: v1(36.57,37.53) 36.66,37.62 36.66,38.4 34.5,40.56 v1(34.5,41.1)
  Bottom w0.25: R78.2 29.58,48.52 29.58,49.74 28.78,50.54 28.78,54.34 25.72,57.4 T14.1
  Bottom w0.3: v1(36.57,37.53) 38.1,36 38.1,35.19 42.74,30.55 U2.15 ; v1(34.5,41.1) 34.5,43.2 33.1,44.6 30.56,44.6 30.6,44.63 30.6,47.7
/AnalogNode/ADC5: length 43.4
  Top w0.3: v1(38.43,41.9) 38.43,41.31 39.23,40.51 v1(39.23,37.48)
  Bottom w0.25: R80.2 35.33,48 34.38,48.95 34.38,50.05 33.33,51.1 33.33,51.8 31.95,53.17 31.95,56.65 T15.1
  Bottom w0.3: v1(39.23,37.48) 39.23,34.77 42.95,31.05 U2.14 ; 40.9,44.73 40.3,45.33 R80.2 40.3,47.7 39,46.4 38.98,46.4 38.2,45.61 38.2,45.1 ; v1(38.43,41.9) 37.05,41.9 36.4,42.54 36.4,43.74 37.76,45.1 R84.1
/AnalogNode/ADC6: length 41.5
  Top w0.3: v1(42.2,44.9) 42.8,44.9 43.4,44.3 43.4,40.8 40.7,38.1 v1(40.7,37.5)
  Bottom w0.3: U2.11 42.75,32.55 40.7,34.6 v1(40.7,37.5) ; T16.1 37.08,57.4 39.38,55.1 39.38,52.57 42.2,49.75 v1(42.2,44.9) 42.4,45.1 R93.1 46.1,47.6 47,47.6 47.4,47.2 47.4,44.63 C76.1
/AnalogNode/ADC7: length 49.8
  Top w0.3: v1(41.8,36.5) 42.1,36.5 45.97,40.36 46.66,40.36 48.75,42.46 48.76,42.46 v1(49.2,42.9)
  Bottom w0.3: R94.1 50.35,44.55 49.45,44.55 49.2,44.3 v1(49.2,42.9) ; R94.1 53.5,47.7 53.9,47.7 ; R94.1 52.76,44.23 53.4,44.23 ; R94.1 51.4,47.17 50.4,48.17 50.4,49.63 50.6,49.83 50.6,52.04 50.03,52.62 50.03,56.47 45.95,60.55 43.3,60.55 41,58.25 T17.1 ; v1(41.8,36.5) 41.8,34.2 42.96,33.05 U2.10
/AnalogNode/ADC8: length 47.8
  Top w0.3: v1(43.13,35.71) 44.57,35.71 48.16,39.3 v1(48.6,39.3)
  Bottom w0.25: T18.1 48.12,57.4 49.25,56.26 49.25,51.56 48.9,51.21 48.61,51.21 48.3,50.9 48.3,45.27 48.48,45.1 48.48,39.42 v1(48.6,39.3)
  Bottom w0.3: v1(48.6,39.3) 48.72,39.42 52.62,39.42 53.2,40 53.2,40.39 55.13,42.32 56.78,42.32 56.8,42.3 57.4,42.9 58.66,42.9 58.86,42.7 59.2,43.03 59.2,45.7 59.7,46.2 ; v1(43.13,35.71) 42.8,35.38 42.8,34.2 43.45,33.55 U2.9